# Altium PCB PCB.PcbDoc (part 1 of 3) (continued)
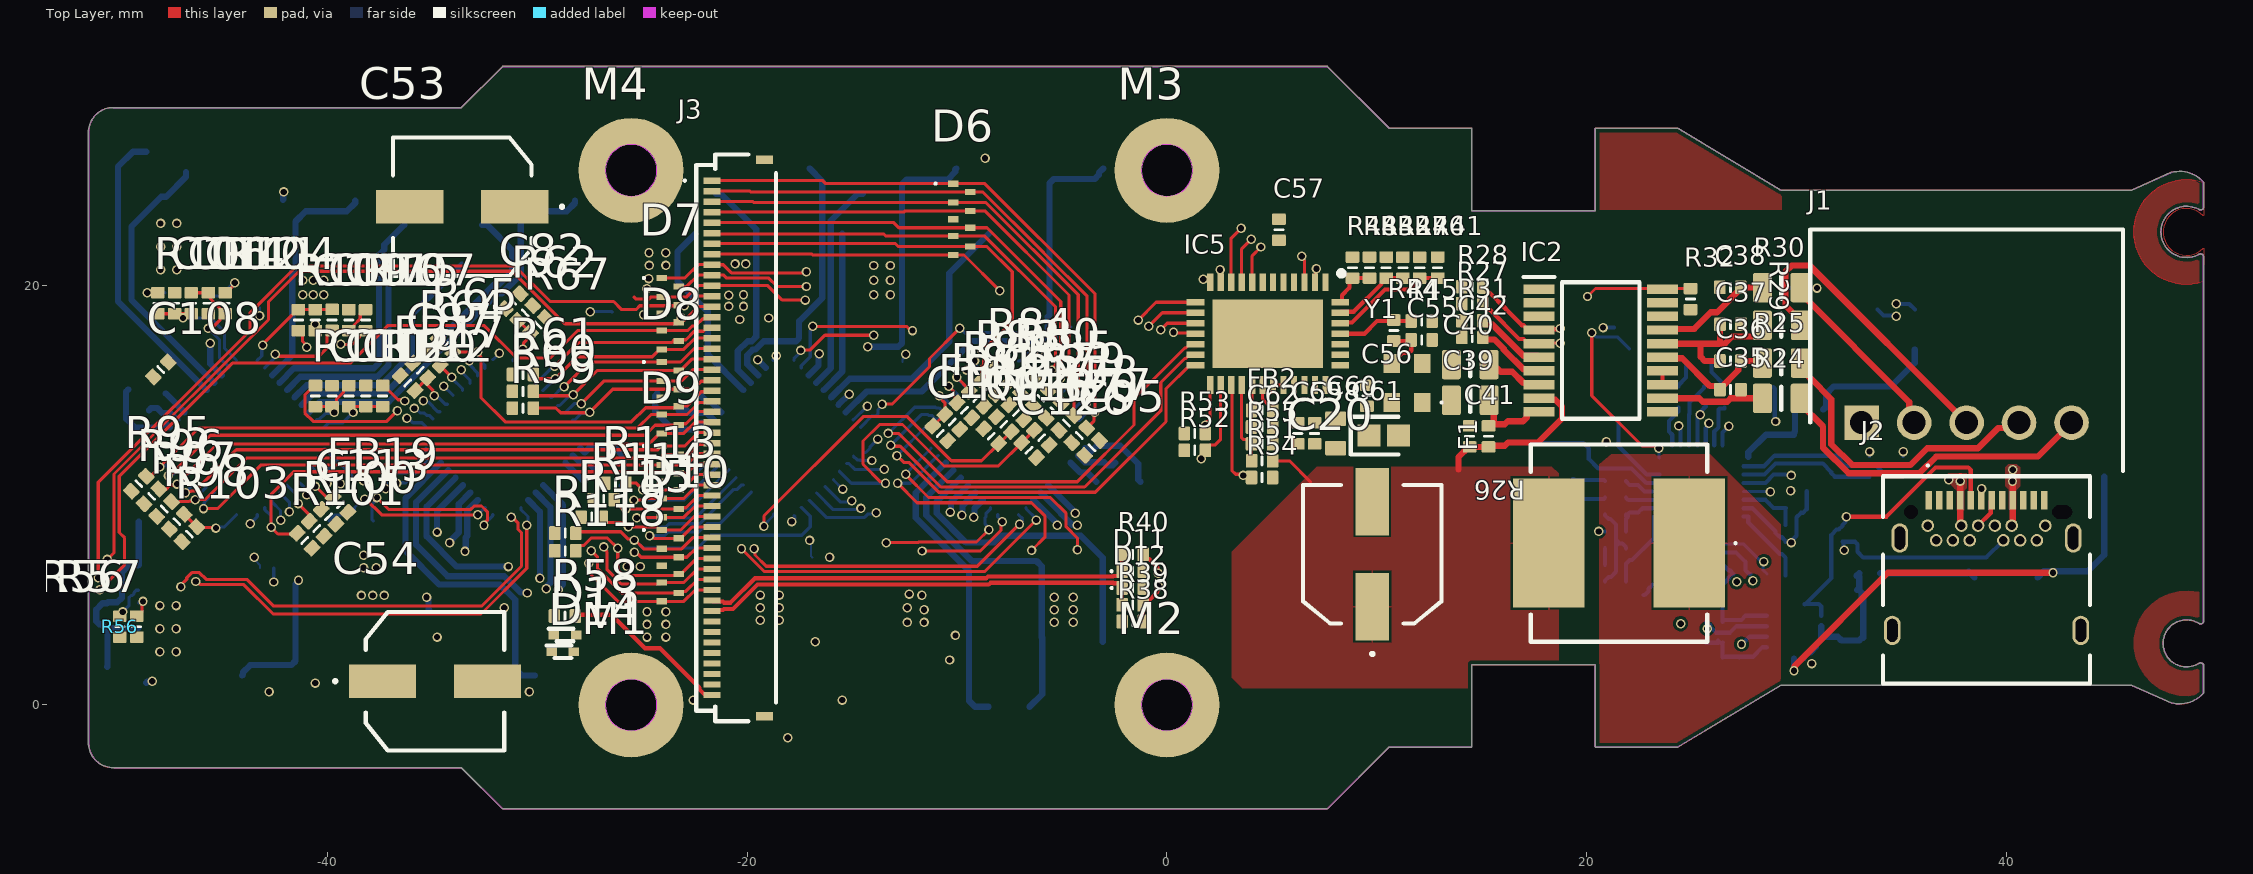
[diagram p0: Top Layer view]
## Components (designator, comment, footprint, x,y, rotation, side; value= is the part's Value field where it differs from the comment) (continued)
C120 "Cap0402" CAP0402 -38.163,14.712 r90 top value=DNI
C121 "Cap0402" CAP0402 -7.171,13.932 r135 top value=1uF
C122 "CapSMD0603" CAP0603 -23.765,14.434 r135 bottom value=47nF
C123 "CapSMD0603" CAP0603 -22.965,15.234 r315 bottom value=1uF
C126 "Cap0402" CAP0402 -6.571,12.132 r135 top value=100nF
D3 "D1213A-01LP4-7B" D1213A01LP47B 33.264,8.571 r0 bottom
D4 "D1213A-01LP4-7B" D1213A01LP47B 33.264,7.771 r0 bottom
D5 "DF2S24FS,L3M" SODFL1006X45N 41.834,11.552 r90 bottom
D6 "DT1240A-08LP3810-7" DT1240A08LP38107 -9.771,23.132 r270 top
D7 "DT1240A-08LP3810-7" DT1240A08LP38107 -23.665,18.634 r270 top locked
D8 "DT1240A-08LP3810-7" DT1240A08LP38107 -23.665,14.634 r270 top locked
D9 "DT1240A-08LP3810-7" DT1240A08LP38107 -23.665,10.634 r270 top locked
D10 "DT1240A-08LP3810-7" DT1240A08LP38107 -23.665,6.634 r270 top locked
D11 "D1213A-01LP4-7B" D1213A01LP47B -1.639,6.371 r0 top
D12 "D1213A-01LP4-7B" D1213A01LP47B -1.636,5.571 r0 top
D13 "DF2S24FS,L3M" SODFL1006X45N -28.671,3.332 r0 top
D14 "DF2S24FS,L3M" SODFL1006X45N -28.771,2.532 r0 top
F1 "3-140-177" 3140177 21.529,7.707 r180 top
FB2 "0R/Ferrite" NFZ15SG152SN10B 4.529,14.032 r0 top
FB17 "0R/Ferrite" NFZ15SG152SN10B -36.165,15.334 r315 top
FB18 "0R/Ferrite" NFZ15SG152SN10B -10.226,13.478 r135 top
FB19 "0R/Ferrite" NFZ15SG152SN10B -39.365,9.534 r135 top
FB20 "0R/Ferrite" NFZ15SG152SN10B -5.971,12.732 r135 top
IC1 "BQ25720RSNR" QFN40P400X400X80-33N-D 25.464,10.371 r180 bottom locked
IC2 "BQ7692003PW" SOP65P640X120-20N 20.66,16.884 r0 top
IC3 "TLV70950PKR" TL431AQPKG3 39.964,4.621 r0 bottom
IC4 "FUSB302BMPX" QFN50P250X250X80-15N 29.864,3.503 r90 bottom
IC5 "LTC2495CUHF#PBF" QFN50P500X700X80-39N-D 4.804,17.682 r270 top
IC6 "TMP6131DECR" TMP6131DECR -42.871,18.932 r0 bottom
IC7 "TMP6131DECR" TMP6131DECR -12.921,16.332 r180 bottom
IC9 "TMP6131DECR" TMP6131DECR -42.871,6.532 r180 bottom
IC10 "TMP6131DECR" TMP6131DECR -16.571,7.032 r180 bottom
IC11 "TMP6131DECR" TMP6131DECR 20.929,12.032 r270 bottom
IC12 "TMF8806" TMF88051B -49.721,5.164 r90 bottom
IC13 "DRV8323SRTAR" QFN50P600X600X80-41N-D -31.621,12.734 r135 bottom locked
IC14 "DRV8323SRTAR" QFN50P600X600X80-41N-D -7.565,12.734 r135 bottom
IC15 "DRV8323SRTAR" QFN50P600X600X80-41N-D -43.821,12.734 r315 bottom locked
IC16 "DRV8323SRTAR" QFN50P600X600X80-41N-D -18.265,12.734 r315 bottom
J1 "S5B-XH-A_LF__SN_" SHDRRA5W64P0X250_1X5_1490X1150X610P 33.084,13.449 r0 top
J2 "USB4056-03-A" USB405603A 39.034,3.552 r0 top
J3 "FH34SRJ-50S-0.5SH_50_" FH34SRJ50S05SH50 -20.516,12.722 r90 top locked
L1 "XEL4020-222MEC" XEL4020222MEC 25.464,19.371 r180 bottom
M1 "Mount_M2" MOUNT_M2 -25.521,-0.001 r0 top locked
M2 "Mount_M2" MOUNT_M2 0,0 r0 top
M3 "Mount_M2" MOUNT_M2 0,25.464 r0 top locked
M4 "Mount_M2" MOUNT_M2 -25.521,25.464 r0 top locked
Q1 "PMPB07R3ENAX" DMT3006LFDF7 29.564,16.021 r180 bottom locked
Q2 "SISA01DN-T1-GE3" SIS862DNT1GE3 16.436,10.916 r270 bottom
Q3 "PMPB07R3ENAX" DMT3006LFDF7 21.944,18.911 r180 bottom locked
Q4 "PMPB07R3ENAX" DMT3006LFDF7 28.965,18.911 r0 bottom locked
Q5 "PMPB07R3ENAX" DMT3006LFDF7 21.364,16.021 r0 bottom locked
Q6 "TPN1R603PL,L1Q" TPN1R603PLL1Q -46.721,0.089 r90 bottom locked
Q7 "TPN1R603PL,L1Q" TPN1R603PLL1Q -43.081,3.299 r180 bottom locked
Q8 "TPN1R603PL,L1Q" TPN1R603PLL1Q -36.101,2.599 r0 bottom locked
Q9 "TPN1R603PL,L1Q" TPN1R603PLL1Q -39.591,3.299 r180 bottom locked
Q10 "TPN1R603PL,L1Q" TPN1R603PLL1Q -32.611,2.599 r0 bottom locked
Q11 "TPN1R603PL,L1Q" TPN1R603PLL1Q -29.121,3.304 r180 bottom locked
Q12 "TPN1R603PL,L1Q" TPN1R603PLL1Q -17.994,1.113 r0 bottom
Q13 "TPN1R603PL,L1Q" TPN1R603PLL1Q -21.485,1.813 r180 bottom
Q14 "TPN1R603PL,L1Q" TPN1R603PLL1Q -11.012,1.113 r0 bottom
Q15 "TPN1R603PL,L1Q" TPN1R603PLL1Q -14.503,1.813 r180 bottom
Q16 "TPN1R603PL,L1Q" TPN1R603PLL1Q -4.03,1.113 r0 bottom
Q17 "TPN1R603PL,L1Q" TPN1R603PLL1Q -7.521,1.813 r180 bottom
Q18 "TPN1R603PL,L1Q" TPN1R603PLL1Q -46.721,25.379 r90 bottom locked
Q19 "TPN1R603PL,L1Q" TPN1R603PLL1Q -43.081,22.164 r0 bottom locked
Q20 "TPN1R603PL,L1Q" TPN1R603PLL1Q -36.101,22.864 r180 bottom locked
Q21 "TPN1R603PL,L1Q" TPN1R603PLL1Q -39.591,22.164 r0 bottom locked
Q22 "TPN1R603PL,L1Q" TPN1R603PLL1Q -32.611,22.864 r180 bottom locked
Q23 "TPN1R603PL,L1Q" TPN1R603PLL1Q -29.121,22.164 r0 bottom locked
Q24 "TPN1R603PL,L1Q" TPN1R603PLL1Q -21.482,24.349 r180 bottom
Q25 "TPN1R603PL,L1Q" TPN1R603PLL1Q -17.989,23.649 r0 bottom
Q26 "TPN1R603PL,L1Q" TPN1R603PLL1Q -14.496,24.349 r180 bottom
Q27 "TPN1R603PL,L1Q" TPN1R603PLL1Q -11.003,23.649 r0 bottom
Q28 "TPN1R603PL,L1Q" TPN1R603PLL1Q -7.51,24.349 r180 bottom
Q29 "TPN1R603PL,L1Q" TPN1R603PLL1Q -4.016,23.649 r0 bottom
R1 "L4CA0612LR010FNR" L4CA0612L0M50FNR 34.734,17.502 r180 bottom
R2 "L4CA0612LR010FNR" L4CA0612L0M50FNR 16.964,6.771 r90 bottom
R3 "Res0402" RES0402 33.464,11.371 r90 bottom value=5R
R4 "Res0402" RES0402 35.064,11.371 r90 bottom value=5R
R5 "Res0402" RES0402 26.564,14.671 r90 bottom value=0R
R6 "Res0402" RES0402 24.364,14.671 r90 bottom value=0R
R7 "Res0603" RES0603 30.564,14.071 r0 bottom value=1R
R8 "Res0402" RES0402 29.965,10.171 r0 bottom value=10R
R9 "Res0402" RES0402 21.364,10.671 r180 bottom value=10R
R10 "Res0402" RES0402 21.364,9.871 r180 bottom value=10R
R11 "Res0402" RES0402 29.962,10.966 r0 bottom value=10k
R12 "Res0402" RES0402 29.965,9.371 r0 bottom value=380k
R13 "Res0402" RES0402 29.965,6.971 r180 bottom value=137k
R14 "Res0402" RES0402 21.364,8.271 r180 bottom value=350k
R15 "Res0402" RES0402 29.965,8.571 r180 bottom value=120k
R16 "Res0402" RES0402 21.364,9.071 r0 bottom value=250k
R17 "Res0402" RES0402 24.298,5.745 r90 bottom value=16k9
R18 "Res0402" RES0402 21.364,6.671 r0 bottom value=10k
R19 "Res0402" RES0402 28.574,5.745 r270 bottom value=10k
R20 "Res0402" RES0402 27.774,5.745 r270 bottom value=10k
R21 "Res0402" RES0402 26.974,5.745 r270 bottom value=10k
R22 "Res0402" RES0402 25.074,5.745 r270 bottom value=DNI
R23 "Res0402" RES0402 25.874,5.745 r90 bottom value=10k
R24 "Res0805" RES0805 29.259,14.602 r0 top value=100R
R25 "Res0805" RES0805 29.26,16.284 r0 top value=100R
R26 "Res0805" RES0402 15.318,12.791 r270 top value=100R
R27 "Res0402" RES0402 14.543,19.111 r180 top value=DNI
R28 "Res0402" RES0402 14.545,19.906 r180 top value=DNI
R29 "Res0805" RES0805 29.26,18.084 r0 top value=100R
R30 "Res0805" RES0805 29.256,19.88 r0 top value=100R
R31 "Res0402" RES0402 14.543,18.311 r0 top value=10k
R32 "Res0402" RES0402 24.929,19.332 r90 top value=1M
R33 "Res0402" RES0402 33.464,5.471 r0 bottom value=DNI
R34 "Res0402" RES0402 33.464,6.271 r0 bottom value=0R
R35 "Res0402" RES0402 24.864,3.471 r270 bottom value=10k
R36 "Res0402" RES0402 25.664,3.471 r270 bottom value=4k7
R37 "Res0402" RES0402 26.464,3.471 r270 bottom value=4k7
R38 "Res0402" RES0402 -1.636,3.971 r180 top value=1k5
R39 "Res0402" RES0402 -1.636,4.771 r180 top value=22R
R40 "Res0402" RES0402 -1.633,7.166 r180 top value=22R
R41 "Res0402" RES0402 12.89,20.832 r90 top value=DNI
R42 "Res0402" RES0402 10.44,20.832 r90 top value=DNI
R43 "Res0402" RES0402 9.64,20.832 r90 top value=DNI
R44 "Res0402" RES0402 10.806,17.837 r270 top value=DNI
R45 "Res0402" RES0402 12.133,18.28 r180 top value=10k
R46 "Res0402" RES0402 12.04,20.832 r270 top value=10k
R47 "Res0402" RES0402 11.24,20.832 r270 top value=10k
R48 "Res0402" RES0402 8.84,20.832 r270 top value=10k
R51 "Res0402" RES0402 4.529,11.632 r0 top value=50k
R52 "Res0402" RES0402 1.329,12.132 r0 top value=10k
R53 "Res0402" RES0402 1.327,12.937 r0 top value=10k
R54 "Res0402" RES0402 4.529,10.832 r180 top value=10k
R55 "Res0402" RES0402 4.529,12.432 r180 top value=10k
R56 "Res0402" RES0402 -49.871,3.732 r270 top value=50k
R57 "Res0402" RES0402 -49.071,3.732 r90 top value=50k
R58 "Res0402" RES0402 -28.671,4.232 r180 top value=DNI
R59 "Res0402" RES0402 -30.671,14.132 r180 top value=50k
R60 "Res0402" RES0402 -30.671,14.932 r180 top value=50k
R61 "Res0402" RES0402 -30.671,15.732 r180 top value=50k
R62 "Res0402" RES0402 -30.565,18.668 r45 top value=10k
R64 "Res0402" RES0402 -34.97,16.529 r135 top value=DNI
R65 "Res0402" RES0402 -34.371,17.132 r135 top value=10k
R67 "Res0402" RES0402 -29.954,18.097 r225 top value=10k
R69 "WSK12161L000FEA" WSK12161L000FEA -46.521,4.264 r90 bottom locked
R72 "WSK12161L000FEA" WSK12161L000FEA -38.858,7.045 r90 bottom locked
R75 "WSK12161L000FEA" WSK12161L000FEA -25.365,5.034 r90 bottom locked
R77 "Res0402" RES0402 -4.173,12.836 r225 top value=50k
R78 "Res0402" RES0402 -4.783,13.428 r225 top value=50k
R79 "Res0402" RES0402 -5.394,14.021 r225 top value=50k
R80 "Res0402" RES0402 -6.615,15.206 r225 top value=10k
R81 "Res0402" RES0402 -9.645,14.038 r315 top value=DNI
R82 "Res0402" RES0402 -9.066,14.587 r315 top value=DNI
R83 "Res0402" RES0402 -8.488,15.137 r315 top value=10k
R84 "Res0402" RES0402 -7.91,15.686 r315 top value=DNI
R85 "Res0402" RES0402 -6.015,14.617 r45 top value=10k
R87 "WSK12161L000FEA" WSK12161L000FEA -19.968,5.734 r90 bottom
R90 "WSK12161L000FEA" WSK12161L000FEA -13.007,5.734 r90 bottom
R93 "WSK12161L000FEA" WSK12161L000FEA -6.013,5.734 r90 bottom
R95 "Res0402" RES0402 -48.965,10.534 r225 top value=50k
R96 "Res0402" RES0402 -48.362,9.933 r225 top value=50k
R97 "Res0402" RES0402 -47.76,9.332 r225 top value=50k
R98 "Res0402" RES0402 -47.157,8.732 r225 top value=10k
R100 "Res0402" RES0402 -40.501,8.403 r315 top value=10k
R101 "Res0402" RES0402 -41.071,7.832 r315 top value=10k
R103 "Res0402" RES0402 -46.565,8.134 r45 top value=10k
R104 "Res0402" RES0402 -44.865,19.134 r90 top value=0R
R105 "WSK12161L000FEA" WSK12161L000FEA -46.521,21.204 r270 bottom
R106 "Res0402" RES0402 -48.065,19.134 r90 top value=0R
R107 "Res0402" RES0402 -38.165,18.334 r270 top value=0R
R108 "WSK12161L000FEA" WSK12161L000FEA -39.612,18.434 r270 bottom
R109 "Res0402" RES0402 -41.365,18.334 r270 top value=0R
R110 "Res0402" RES0402 -40.563,14.712 r90 top value=0R
R111 "WSK12161L000FEA" WSK12161L000FEA -25.365,20.434 r270 bottom
R112 "Res0402" RES0402 -37.363,14.712 r90 top value=0R
R113 "Res0402" RES0402 -26.268,10.561 r180 top value=50k
R114 "Res0402" RES0402 -26.834,9.777 r180 top value=50k
R115 "Res0402" RES0402 -27.399,8.94 r180 top value=50k
R116 "Res0402" RES0402 -8.371,12.799 r135 top value=10k
R118 "Res0402" RES0402 -28.665,7.334 r180 top value=DNI
R119 "Res0402" RES0402 -28.654,8.184 r180 top value=10k
R121 "Res0402" RES0402 -7.767,13.376 r315 top value=10k
R123 "WSK12161L000FEA" WSK12161L000FEA -19.574,19.734 r270 bottom
R126 "WSK12161L000FEA" WSK12161L000FEA -12.574,19.734 r270 bottom
R129 "WSK12161L000FEA" WSK12161L000FEA -5.635,19.734 r270 bottom
Y1 "ECS-2520MVLC-010-CN-TR" ECS2520MVLC010CNTR 11.429,15.332 r90 top

## Footprints (in the part's own frame and the unit in brackets; to place one, negate y for a bottom-side part, rotate by r counter-clockwise, add the part's x,y. Pads: shape width x height; smd on the part's side, far side on the other; paste and mask are expansions set on the pad)
3140177 [mm]
  rect 3.4x6.15 smd: 1(-3.35,0) 2(3.35,0)
  silkscreen extent -5.6,-4.7 4.2,4.7, body extent -4.71,-4.7 4.71,4.7, height 4.95
CAP0402 [mm]
  rrect20% 0.55x0.65 smd: 1(-0.498,-0.005) 2(0.503,-0.005)
  silkscreen extent 0,-0.2 0,0.2, body extent -0.49,-0.27 0.51,0.28, height 0.5
CAP0603 [mm]
  rrect20% 0.7x1 smd: 1(-0.7,0) 2(0.7,0)
  body extent -0.8,-0.4 0.8,0.4, height 0.95
CAP0805 [mm]
  rrect20% 0.9x1.4 smd: 1(-0.9,0) 2(0.9,0)
  silkscreen extent 0,-0.55 0,0.55, body extent -1,-0.63 1,0.63, height 0.88
CAPPC1608X90N [mm]
  rect 1.1x1.05 smd: 1(-0.7,0) 2(0.7,0)
  silkscreen extent -1.57,-0.9 0.7,0.9, body extent -0.8,-0.43 0.8,0.43, height 0.9
CAPPM7343X310N [mm]
  rect 2.35x2.45 smd: 1(-3.1,0) 2(3.1,0)
  silkscreen extent -4.28,-2.15 3.65,2.15, body extent -3.59,-2.21 3.6,2.21, height 2.92
D1213A01LP47B [mm]
  rrect20% 0.55x0.65 smd: 1(-0.498,0) 2(0.503,0)
  silkscreen extent -1.05,-0.2 0,0.2, body extent -0.5,-0.3 0.5,0.3, height 0.37
DMT3006LFDF7 [mm]
  rect 0.4x0.425 smd: 1(-0.65,-0.938) 2(0,-0.938) 3(0.65,-0.938) 4(0.65,0.938) 5(0,0.938) 6(-0.65,0.938)
  rect 0.95x1.15 smd: 7(-0.325,0)
  rect 0.48x0.8 smd: 8(0.7,0)
  silkscreen extent -0.75,-1.8 -0.55,-1.6, body extent -0.97,-1.11 1.02,1.11, height 0.73
DT1240A08LP38107 [mm]
  rect 0.3x0.5 smd: 1(-1.7,-0.4) 2(-0.8,-0.4) 3(0,-0.4) 4(0.8,-0.4) 5(1.7,-0.4) 6(1.3,0.4) 7(0.4,0.4) 8(-0.4,0.4) 9(-1.3,0.4)
  silkscreen extent -1.75,-1.3 -1.65,-1.2, body extent -1.9,-0.5 1.9,0.5, height 0.5
ECS2520MVLC010CNTR [mm]
  rect 0.9x0.8 smd: 1(-0.925,-0.725) 2(0.925,-0.725) 3(0.925,0.725) 4(-0.925,0.725)
  silkscreen extent -0.97,-1.7 -0.88,-1.6, body extent -1.3,-1.04 1.3,1.04, height 1
EEEHP1H4R7P [mm]
  rect 1.6x3.2 smd: 1(0,-2.5) 2(0,2.5)
  silkscreen extent -3.3,-4.8 3.3,3.3, body extent -3.3,-3.65 3.3,3.65, height 7.7
FH34SRJ50S05SH50 [mm]
  rect 0.3x0.8 smd: 1(12.25,1.15) 2(11.75,1.15) 3(11.25,1.15) 4(10.75,1.15) 5(10.25,1.15) 6(9.75,1.15) 7(9.25,1.15) 8(8.75,1.15) 9(8.25,1.15) 10(7.75,1.15) 11(7.25,1.15) 12(6.75,1.15) 13(6.25,1.15) 14(5.75,1.15) 15(5.25,1.15) 16(4.75,1.15) 17(4.25,1.15) 18(3.75,1.15) 19(3.25,1.15) 20(2.75,1.15) 21(2.25,1.15) 22(1.75,1.15) 23(1.25,1.15) 24(0.75,1.15) 25(0.25,1.15) 26(-0.25,1.15) 27(-0.75,1.15) 28(-1.25,1.15) 29(-1.75,1.15) 30(-2.25,1.15) 31(-2.75,1.15) 32(-3.25,1.15) 33(-3.75,1.15) 34(-4.25,1.15) 35(-4.75,1.15) 36(-5.25,1.15) 37(-5.75,1.15) 38(-6.25,1.15) 39(-6.75,1.15) 40(-7.25,1.15) 41(-7.75,1.15) 42(-8.25,1.15) 43(-8.75,1.15) 44(-9.25,1.15) 45(-9.75,1.15) 46(-10.25,1.15) 47(-10.75,1.15) 48(-11.25,1.15) 49(-11.75,1.15) 50(-12.25,1.15)
  rect 0.4x0.8 smd: 51(13.25,-1.35) 52(-13.25,-1.35)
  silkscreen extent -13.5,-1.9 13.5,2.5, body extent -13.5,-1.9 13.5,1.9, height 1
L4CA0612L0M50FNR [mm]
  rect 1.014x0.762 smd: 1(-0.888,1.335) 4(0.888,1.335)
  rect 1.014x2.29 smd: 2(-0.888,-0.572) 3(0.888,-0.572)
  silkscreen extent -1.9,1.29 -1.8,1.38, body extent -0.77,-1.6 0.77,1.6, height 0.7
MOUNT_M2 [mm]
  round 5 hole 2.45: 1(0,0)
NFZ15SG152SN10B [mm]
  rrect20% 0.55x0.65 smd: 1(-0.498,-0.005) 2(0.503,-0.005)
  silkscreen extent 0,-0.2 0,0.2, body extent -0.5,-0.25 0.5,0.25, height 0.5
QFN40P400X400X80-33N-D [mm]
  rect 0.75x0.2 smd: 1(-2,1.4) 2(-2,1) 3(-2,0.6) 4(-2,0.2) 5(-2,-0.2) 6(-2,-0.6) 7(-2,-1) 8(-2,-1.4) 17(2,-1.4) 18(2,-1) 19(2,-0.6) 20(2,-0.2) 21(2,0.2) 22(2,0.6) 23(2,1) 24(2,1.4)
  rect 0.2x0.75 smd: 9(-1.4,-2) 10(-1,-2) 11(-0.6,-2) 12(-0.2,-2) 13(0.2,-2) 14(0.6,-2) 15(1,-2) 16(1.4,-2) 25(1.4,2) 26(1,2) 27(0.6,2) 28(0.2,2) 29(-0.2,2) 30(-0.6,2) 31(-1,2) 32(-1.4,2)
  rect 2.9x2.9 smd: 33(0,0)
  silkscreen extent -2.47,1.9 -2.28,2.1, body extent -2,-2 2,2, height 0.8
QFN50P250X250X80-15N [mm]
  rect 0.7x0.3 smd: 1(-1.3,0.5) 2(-1.3,0) 3(-1.3,-0.5) 8(1.3,-0.5) 9(1.3,0) 10(1.3,0.5)
  rect 0.3x0.7 smd: 4(-0.75,-1.3) 5(-0.25,-1.3) 6(0.25,-1.3) 7(0.75,-1.3) 11(0.75,1.3) 12(0.25,1.3) 13(-0.25,1.3) 14(-0.75,1.3)
  rect 1.5x1.5 smd: 15(0,0)
  silkscreen extent -1.77,1.13 -1.53,1.38, body extent -1.3,-1.3 1.3,1.3, height 0.8
QFN50P500X700X80-39N-D [mm]
  rect 0.85x0.3 smd: 1(-2.45,2.75) 2(-2.45,2.25) 3(-2.45,1.75) 4(-2.45,1.25) 5(-2.45,0.75) 6(-2.45,0.25) 7(-2.45,-0.25) 8(-2.45,-0.75) 9(-2.45,-1.25) 10(-2.45,-1.75) 11(-2.45,-2.25) 12(-2.45,-2.75) 20(2.45,-2.75) 21(2.45,-2.25) 22(2.45,-1.75) 23(2.45,-1.25) 24(2.45,-0.75) 25(2.45,-0.25) 26(2.45,0.25) 27(2.45,0.75) 28(2.45,1.25) 29(2.45,1.75) 30(2.45,2.25) 31(2.45,2.75)
  rect 0.3x0.85 smd: 13(-1.5,-3.45) 14(-1,-3.45) 15(-0.5,-3.45) 16(0,-3.45) 17(0.5,-3.45) 18(1,-3.45) 19(1.5,-3.45) 32(1.5,3.45) 33(1,3.45) 34(0.5,3.45) 35(0,3.45) 36(-0.5,3.45) 37(-1,3.45) 38(-1.5,3.45)
  rect 3.25x5.25 smd: 39(0,0)
  silkscreen extent -3,3.38 -2.75,3.63, body extent -2.55,-3.55 2.55,3.55, height 0.8
QFN50P600X600X80-41N-D [mm]
  rect 0.9x0.3 smd: 1(-2.95,2.25) 2(-2.95,1.75) 3(-2.95,1.25) 4(-2.95,0.75) 5(-2.95,0.25) 6(-2.95,-0.25) 7(-2.95,-0.75) 8(-2.95,-1.25) 9(-2.95,-1.75) 10(-2.95,-2.25) 21(2.95,-2.25) 22(2.95,-1.75) 23(2.95,-1.25) 24(2.95,-0.75) 25(2.95,-0.25) 26(2.95,0.25) 27(2.95,0.75) 28(2.95,1.25) 29(2.95,1.75) 30(2.95,2.25)
  rect 0.3x0.9 smd: 11(-2.25,-2.95) 12(-1.75,-2.95) 13(-1.25,-2.95) 14(-0.75,-2.95) 15(-0.25,-2.95) 16(0.25,-2.95) 17(0.75,-2.95) 18(1.25,-2.95) 19(1.75,-2.95) 20(2.25,-2.95) 31(2.25,2.95) 32(1.75,2.95) 33(1.25,2.95) 34(0.75,2.95) 35(0.25,2.95) 36(-0.25,2.95) 37(-0.75,2.95) 38(-1.25,2.95) 39(-1.75,2.95) 40(-2.25,2.95)
  rect 4.6x4.6 smd: 41(0,0)
  silkscreen extent -3.52,2.88 -3.28,3.12, body extent -3.05,-3.05 3.05,3.05, height 0.8
RES0402 [mm]
  rrect20% 0.55x0.65 smd: 1(-0.498,-0.005) 2(0.503,-0.005)
  silkscreen extent 0,-0.2 0,0.2, body extent -0.5,-0.25 0.5,0.25, height 0.4
RES0603 [mm] "SMD Resistor 0603"
  rrect20% 0.7x1 smd: 1(-0.7,0) 2(0.7,0)
  silkscreen extent 0,-0.38 0,0.38, body extent -0.8,-0.4 0.8,0.4, height 0.6
RES0805 [mm] "SMD Resistor 0805"
  rrect20% 0.9x1.4 smd: 1(-0.9,0) 2(0.9,0)
  silkscreen extent 0,-0.55 0,0.55, body extent -1,-0.63 1,0.63, height 0.65
SHDRRA5W64P0X250_1X5_1490X1150X610P [mm]
  rect 1.65x1.65 hole 1.1: 1(0,0)
  round 1.65 hole 1.1: 2(2.5,0) 3(5,0) 4(7.5,0) 5(10,0)
  silkscreen extent -2.45,-2.3 12.45,9.2, body extent -2.45,-2.3 12.45,9.2, height 6.1
SIS862DNT1GE3 [mm]
  rect 0.99x0.405 smd: 1(-1.555,0.992) 2(-1.555,0.332) 3(-1.555,-0.328) 4(-1.555,-0.988)
  rect 0.81x0.405 smd: 5(1.405,-0.988) 6(1.405,-0.328) 7(1.405,0.332) 8(1.405,0.992)
  rect 1.725x2.235 smd: 9(0.438,0.002)
  silkscreen extent -1.53,-1.53 1.55,1.53, body extent -1.77,-1.65 1.54,1.65, height 1.09
SODFL1006X45N [mm]
  rect 0.5x0.42 smd: 1(-0.525,0) 2(0.525,0)
  silkscreen extent -0.78,-0.3 0.4,0.3, body extent -0.5,-0.3 0.5,0.3, height 0.4
SOP65P640X120-20N [mm]
  rect 1.475x0.45 smd: 1(-2.938,2.925) 2(-2.938,2.275) 3(-2.938,1.625) 4(-2.938,0.975) 5(-2.938,0.325) 6(-2.938,-0.325) 7(-2.938,-0.975) 8(-2.938,-1.625) 9(-2.938,-2.275) 10(-2.938,-2.925) 11(2.938,-2.925) 12(2.938,-2.275) 13(2.938,-1.625) 14(2.938,-0.975) 15(2.938,-0.325) 16(2.938,0.325) 17(2.938,0.975) 18(2.938,1.625) 19(2.938,2.275) 20(2.938,2.925)
  silkscreen extent -3.68,-3.25 1.85,3.5, body extent -3.2,-3.25 3.2,3.25, height 1.13
TL431AQPKG3 [mm]
  rect 1x1.5 smd: 1(-1.5,-1.45) 3(1.5,-1.45)
  rect 1x1.8 smd: 2(0,-1.3)
  rect 2.2x3.7 smd: 4(0,1.45)
  silkscreen extent -2.55,-2.6 2.25,1.25, body extent -2.25,-1.74 2.25,2.43, height 1.53
TMF88051B [mm]
  rect 0.35x0.575 smd: 1(-1.5,-0.738) 2(-0.9,-0.738) 3(-0.3,-0.738) 4(0.3,-0.738) 5(0.9,-0.738) 6(1.5,-0.738) 7(1.5,0.738) 8(0.9,0.738) 9(0.3,0.738) 10(-0.3,0.738) 11(-0.9,0.738) 12(-1.5,0.738)
  silkscreen extent -1.75,-1.35 -1.65,-1.25, body extent -1.8,-1.1 1.8,1.1, height 1.2
TMP6131DECR [mm]
  rect 0.25x0.5 smd: 1(-0.325,0) 2(0.325,0)
  silkscreen extent -1,-0.05 -0.9,0.05, body extent -0.5,-0.3 0.5,0.3, height 0.6
TPN1R603PLL1Q [mm]
  rect 0.4x0.4 smd: 1(-0.975,-1.9) 2(-0.325,-1.9) 3(0.325,-1.9) 4(0.975,-1.9)
  rect 0.4x0.3 smd: 5(0.975,1.25) 6(0.325,1.25) 7(-0.325,1.25) 8(-0.975,1.25)
  rect 2.65x2.2 smd: 9(0,0)
  silkscreen extent -1.55,-2.97 1.55,-1.4, body extent -1.55,-2.06 1.55,1.37, height 1
USB405603A [mm]
  rect 0.3x0.9 smd: A1(-2.75,6.2) A2(-2.25,6.2) A3(-1.75,6.2) A4(-1.25,6.2) A5(-0.75,6.2) A6(-0.25,6.2) A7(0.25,6.2) A8(0.75,6.2) A9(1.25,6.2) A10(1.75,6.2) A11(2.25,6.2) A12(2.75,6.2)
  round 0.6 hole 0.4: B1(2.8,4.99) B2(2.4,4.29) B3(1.6,4.29) B4(1.2,4.99) B5(0.8,4.29) B6(0.4,4.99) B7(-0.4,4.99) B8(-0.8,4.29) B9(-1.2,4.99) B10(-1.6,4.29) B11(-2.4,4.29) B12(-2.8,4.99)
  oval 0.8x1.4 hole 0.5 slot 1.1 at 90 deg: MH1(-4.13,4.4) MH2(4.13,4.4) MH3(4.49,0) MH4(-4.49,0)
  round 0 hole 0.65 unplated: MH5(-3.6,5.64)
  round 0 hole 0.65 slot 0.95 at 0 deg unplated: MH6(3.6,5.64)
  silkscreen extent -4.93,-2.53 4.92,7.91, body extent -4.92,-2.53 4.92,7.34, height 3.26
WSK12161L000FEA [mm]
  rect 2.95x1.495 smd: 1(-0.6,-1.053) 4(-0.6,1.053)
  rect 0.7x1.495 smd: 2(1.725,-1.053) 3(1.725,1.053)
  silkscreen extent -1.91,-0.1 1.9,0.1, body extent -2,-1.7 2,1.7, height 2
XEL4020222MEC [mm]
  rect 0.98x3.4 smd: 1(-1.185,0) 2(1.185,0)
  silkscreen extent -3,-2 2,2, body extent -2,-2 2,2, height 2.2

## Part data
C1 C21 C28 C29 C30 C31 C32 C33 C34 C80: Voltage=25V
C2: "Capacitor Polarised", Manufacturer_Name=Vishay, Mouser Part Number=74-TR3D336K025D0200, Datasheet Link=http://www.vishay.com/doc?40080, HEIGHT=3.1mm, Manufacturer_Part_Number=TR3D336K025D0200, Mouser Price/Stock=https://www.mouser.com/Search/Refine.aspx?Keyword=74-TR3D336K025D0200
C3 C4 C7 C8 C9 C10 C11 C12 C13 C14 C15 C16 C17 C18 C19 C39 C40 C41 C42 C43 C47 C48 C49 C50 C57 C58 C59: Voltage=50V
C5 C6: "Capacitor Polarised", Manufacturer_Name=Vishay, Mouser Part Number=74-293D226X0025D2TE3, Datasheet Link=http://www.vishay.com/docs/40002/293d.pdf, HEIGHT=3.1mm, Manufacturer_Part_Number=293D226X0025D2TE3, Mouser Price/Stock=https://www.mouser.co.uk/ProductDetail/Vishay-Sprague/293D226X0025D2TE3?qs=27QRfRkF2isTHSjSebANCw%3D%3D
C20 C53 C54: "Capacitor Polarised", Manufacturer_Name=Panasonic, Datasheet Link=https://industrial.panasonic.com/cdbs/www-data/pdf/RDD0000/ast-ind-303928.pdf, Manufacturer_Part_Number=EEH-ZL1V151XP
C22 C24 C25 C26 C35 C36 C37 C38 C44 C45 C46 C78 C79 C81 C87 C100 C113 C126: Voltage=6V3
C23 C27 C60 C62 C111 C112 C114 C115 C116 C117 C118 C119 C120: Voltage=DNI
C51 C52 C82 C95 C108 C121: Voltage=val
C55 C56: "DNI", Voltage=DNI
C61: library part 298D106X96R3M2T, "Capacitor Polarised", Voltage=6V3
C83 C84 C96 C97 C109 C110 C122 C123: "50V", LatestRevisionDate=29-May-2009, LatestRevisionNote="IPC-7351 Footprint Added.", PackageDescription="Chip Capacitor", PackageReference=C1206, Published=8-Jun-2000, Publisher="Altium Limited"
D3 D4 D11 D12: "TVS Diode (Uni-directional)", Manufacturer_Name="Diodes Incorporated", Mouser Part Number=621-D1213A-01LP4-7B, Arrow Part Number=D1213A-01LP4-7B, Arrow Price/Stock=https://www.arrow.com/en/products/d1213a-01lp4-7b/diodes-incorporated?region=europe, Datasheet Link=https://www.diodes.com/assets/Datasheets/D1213A-01LP4.pdf, HEIGHT=0.4mm, Manufacturer_Part_Number=D1213A-01LP4-7B, Mouser Price/Stock=https://www.mouser.co.uk/ProductDetail/Diodes-Incorporated/D1213A-01LP4-7B?qs=gfe7vQ8txpVKfG5NOSOvfA%3D%3D
D5 D13 D14: "TVS Diode (Uni-directional)", Manufacturer_Name=Toshiba, Mouser Part Number=757-DF2S24FSL3M, Arrow Part Number=DF2S24FS,L3M, Arrow Price/Stock=https://www.arrow.com/en/products/df2s24fsl3m/toshiba?region=nac, Datasheet Link=https://www.mouser.com/datasheet/2/408/DF2S24FS_datasheet_en_20140718-708374.pdf, HEIGHT=0.45mm, Manufacturer_Part_Number=DF2S24FS,L3M, Mouser Price/Stock=https://www.mouser.co.uk/ProductDetail/Toshiba/DF2S24FSL3M?qs=lhkzy8lC%252BSvG2umxl0FuEw%3D%3D
D6 D7 D8 D9 D10: "TVS Diode (Uni-directional)", Manufacturer_Name="Diodes Incorporated", Mouser Part Number=621-DT1240A08LP38107, Arrow Part Number=DT1240A-08LP3810-7, Arrow Price/Stock=null?region=nac, Datasheet Link=https://www.diodes.com//assets/Datasheets/DT1240A-08LP3810.pdf, HEIGHT=0.55mm, Manufacturer_Part_Number=DT1240A-08LP3810-7, Mouser Price/Stock=https://www.mouser.co.uk/ProductDetail/Diodes-Incorporated/DT1240A-08LP3810-7?qs=W0yvOO0ixfFwCalJyqXN4A%3D%3D
F1: "Fuse", Manufacturer_Name=SCHURTER, Mouser Part Number=693-3-140-177, Arrow Part Number=3-140-177, Arrow Price/Stock=https://www.arrow.com/en/products/3-140-177/schurter?region=europe, Datasheet Link=https://www.schurter.com/en/datasheet/typ_UHS.pdf, HEIGHT=4.85mm, Manufacturer_Part_Number=3-140-177, Mouser Price/Stock=https://www.mouser.co.uk/ProductDetail/Schurter/3-140-177?qs=3Rah4i%252BhyCHL3c0yS6dOkg%3D%3D
FB2 FB17 FB18 FB19 FB20: library part BLM15PE471SH1D, "Ferrite Bead", Manufacturer_Name="Murata Electronics", Mouser Part Number=81-BLM15PE471SH1D, Datasheet Link=https://www.murata.com/en-global/products/productdetail.aspx?cate=luNoiseSupprFilteChipFerriBead&partno=BLM15PE471SH1%23, HEIGHT=0.55mm, Manufacturer_Part_Number=BLM15PE471SH1D, Mouser Price/Stock=https://www.mouser.co.uk/ProductDetail/Murata-Electronics/BLM15PE471SH1D?qs=DRkmTr78QATAY5qAVx1hGA%3D%3D
IC1: "Integrated Circuit", Manufacturer_Name="Texas Instruments", Mouser Part Number=595-BQ25720RSNR, Datasheet Link=https://www.ti.com/lit/ds/symlink/bq25720.pdf?ts=1649085131820&ref_url=https%253A%252F%252Fwww.ti.com%252Fproduct%252FBQ25720, HEIGHT=0.8mm, Manufacturer_Part_Number=BQ25720RSNR, Mouser Price/Stock=https://www.mouser.co.uk/ProductDetail/Texas-Instruments/BQ25720RSNR?qs=ljCeji4nMDlwF8f%2Foae7aQ%3D%3D
IC2: "Integrated Circuit", Manufacturer_Name="Texas Instruments", Mouser Part Number=595-BQ7692003PW, Arrow Part Number=BQ7692003PW, Arrow Price/Stock=https://www.arrow.com/en/products/bq7692003pw/texas-instruments?utm_currency=USD&region=nac, Datasheet Link=http://www.ti.com/lit/gpn/BQ76920, HEIGHT=1.2mm, Manufacturer_Part_Number=BQ7692003PW, Mouser Price/Stock=https://www.mouser.co.uk/ProductDetail/Texas-Instruments/BQ7692003PW?qs=%2Fd%252BFzHvH4c0Hx6X3GvdboA%3D%3D
IC3: "Integrated Circuit", Manufacturer_Name="Texas Instruments", Mouser Part Number=595-TLV70950PKR, Arrow Part Number=TLV70950PKR, Arrow Price/Stock=null?region=nac, Datasheet Link=https://www.ti.com/lit/gpn/tlv709, HEIGHT=1.6mm, Manufacturer_Part_Number=TLV70950PKR, Mouser Price/Stock=https://www.mouser.co.uk/ProductDetail/Texas-Instruments/TLV70950PKR?qs=dbcCsuKDzFU3yYGsVf2izQ%3D%3D
IC4: "Integrated Circuit", Manufacturer_Name=onsemi, Mouser Part Number=512-FUSB302BMPX, Arrow Part Number=FUSB302BMPX, Arrow Price/Stock=https://www.arrow.com/en/products/fusb302bmpx/on-semiconductor?utm_currency=USD&region=nac, Datasheet Link=https://www.onsemi.com/pub/Collateral/FUSB302B-D.PDF, HEIGHT=0.8mm, Manufacturer_Part_Number=FUSB302BMPX, Mouser Price/Stock=https://www.mouser.co.uk/ProductDetail/onsemi-Fairchild/FUSB302BMPX?qs=8ziscO3x5y1SHqdwooDK6g%3D%3D
IC5: "Integrated Circuit", Manufacturer_Name="Analog Devices", Mouser Part Number=584-LTC2495CUHF#PBF, Arrow Part Number=LTC2495CUHF#PBF, Arrow Price/Stock=https://www.arrow.com/en/products/ltc2495cuhfpbf/analog-devices?region=europe, Datasheet Link=https://www.analog.com/media/en/technical-documentation/data-sheets/2495fe.pdf, HEIGHT=0.8mm, Manufacturer_Part_Number=LTC2495CUHF#PBF, Mouser Price/Stock=https://www.mouser.co.uk/ProductDetail/Analog-Devices/LTC2495CUHFPBF?qs=hVkxg5c3xu%252Bd9nHQ1gaMcw%3D%3D
IC6 IC7 IC9 IC10 IC11: "Integrated Circuit", Manufacturer_Name="Texas Instruments", Mouser Part Number=595-TMP6131DECR, Arrow Part Number=TMP6131DECR, Arrow Price/Stock=https://www.arrow.com/en/products/tmp6131decr/texas-instruments?region=nac, Datasheet Link=http://www.ti.com/lit/gpn/TMP61, HEIGHT=0.5mm, Manufacturer_Part_Number=TMP6131DECR, Mouser Price/Stock=https://www.mouser.co.uk/ProductDetail/Texas-Instruments/TMP6131DECR?qs=l7cgNqFNU1jnXQehRCOLwA%3D%3D
IC12: library part TMF8805-1B, "Integrated Circuit", Manufacturer_Name="ams OSRAM", Mouser Part Number=985-TMF8805-1B, Datasheet Link=https://ams.com/documents/20143/4372629/TMF8805_DS000692_4-00.pdf, HEIGHT=1.1mm, Manufacturer_Part_Number=TMF8805-1B, Mouser Price/Stock=https://www.mouser.co.uk/ProductDetail/ams-OSRAM/TMF8805-1B?qs=sPbYRqrBIVlwsjHE%2F%252BrL9g%3D%3D
IC13 IC14 IC15 IC16: "Integrated Circuit", Manufacturer_Name="Texas Instruments", Mouser Part Number=595-DRV8323SRTAR, Arrow Part Number=DRV8323SRTAR, Arrow Price/Stock=https://www.arrow.com/en/products/drv8323srtar/texas-instruments?utm_currency=USD&region=nac, Datasheet Link=http://www.ti.com/lit/ds/symlink/drv8323.pdf, HEIGHT=0.8mm, Manufacturer_Part_Number=DRV8323SRTAR, Mouser Price/Stock=https://www.mouser.co.uk/ProductDetail/Texas-Instruments/DRV8323SRTAR?qs=u4fy%2FsgLU9P2gpPTX6mffg%3D%3D
J1: "Connector", Arrow Part Number=S5B-XH-A(LF)(SN), Manufacturer_Name="JST (JAPAN SOLDERLESS TERMINALS)", Mouser Part Number=306-S5B-XH-ALFSN, Arrow Price/Stock=https://www.arrow.com/en/products/s5b-xh-a-lf-sn/jst-manufacturing?utm_currency=USD&region=europe, Datasheet Link=http://www.jst-mfg.com/product/pdf/eng/eXH.pdf, HEIGHT=6.1mm, Manufacturer_Part_Number=S5B-XH-A(LF)(SN), Mouser Price/Stock=https://www.mouser.co.uk/ProductDetail/JST-Commercial/S5B-XH-ALFSN?qs=QpmGXVUTftFJm7Okp%252B2lFg%3D%3D
J2: "Connector", Manufacturer_Name="GCT (GLOBAL CONNECTOR TECHNOLOGY)", Mouser Part Number=640-USB4056-03-A, Datasheet Link=https://www.mouser.jp/datasheet/2/837/usb4056-2448808.pdf, HEIGHT=3.56mm, Manufacturer_Part_Number=USB4056-03-A, Mouser Price/Stock=https://www.mouser.co.uk/ProductDetail/GCT/USB4056-03-A?qs=QNEnbhJQKvbZ7hZzgFEugA%3D%3D
J3: "Connector", Manufacturer_Name=Hirose, Manufacturer_Part_Number=FH34SRJ-50S-0.5SH(50), Mouser Part Number=798-FH34SRJ50S05SH50, Datasheet Link=https://www.hirose.com/en/product/document?clcode=CL0580-1266-2-50&productname=FH34SRJ-50S-0.5SH(50)&series=FH34SRJ&documenttype=2DDrawing&lang=en&documentid=0001483059, HEIGHT=1.75mm, Mouser Price/Stock=https://www.mouser.co.uk/ProductDetail/Hirose-Connector/FH34SRJ-50S-0.5SH50?qs=vcbW%252B4%252BSTIrLLD%2F8H%2F%252B%2Fhg%3D%3D, System=Connector
L1: "Inductor", Manufacturer_Name=COILCRAFT, Mouser Part Number=994-XEL4020-222MEC, HEIGHT=2.1mm, Manufacturer_Part_Number=XEL4020-222MEC, Mouser Price/Stock=https://www.mouser.co.uk/ProductDetail/Coilcraft/XEL4020-222MEC?qs=chTDxNqvsynf4rqMeCpizg%3D%3D
Q1 Q3 Q4 Q5: library part DMT3006LFDF-7, "MOSFET (N-Channel)", Manufacturer_Name="Diodes Incorporated", Mouser Part Number=621-DMT3006LFDF-7, Arrow Part Number=DMT3006LFDF-7, Arrow Price/Stock=https://www.arrow.com/en/products/dmt3006lfdf-7/diodes-incorporated, Datasheet Link=https://www.arrow.com/en/products/dmt3006lfdf-7/diodes-incorporated, HEIGHT=0.63mm, Manufacturer_Part_Number=DMT3006LFDF-7, Mouser Price/Stock=https://www.mouser.co.uk/ProductDetail/Diodes-Incorporated/DMT3006LFDF-7?qs=4EhzHfbM1GhGS5nn3gf3wg%3D%3D
Q2: "MOSFET (P-Channel)", Manufacturer_Name=Vishay, Mouser Part Number=78-SISA01DN-T1-GE3, Arrow Part Number=SISA01DN-T1-GE3, Arrow Price/Stock=https://www.arrow.com/en/products/sisa01dn-t1-ge3/vishay?region=nac, Datasheet Link=https://www.vishay.com/docs/76198/sisa01dn.pdf, Manufacturer_Part_Number=SISA01DN-T1-GE3, Mouser Price/Stock=https://www.mouser.co.uk/ProductDetail/Vishay-Semiconductors/SISA01DN-T1-GE3?qs=chTDxNqvsymq6IcOj9ze4g%3D%3D
Q6 Q7 Q8 Q9 Q10 Q11 Q12 Q13 Q14 Q15 Q16 Q17 Q18 Q19 Q20 Q21 Q22 Q23 Q24 Q25 Q26 Q27 Q28 Q29: "MOSFET (N-Channel)", Manufacturer_Name=Toshiba, Mouser Part Number=757-TPN1R603PLL1Q, Arrow Part Number=TPN1R603PL,L1Q, Arrow Price/Stock=https://www.arrow.com/en/products/tpn1r603pll1q/toshiba?utm_currency=USD&region=nac, Datasheet Link=https://toshiba.semicon-storage.com/ap-en/semiconductor/product/mosfets/12v-300v-mosfets/detail.TPN1R603PL.html, HEIGHT=0.9mm, Manufacturer_Part_Number=TPN1R603PL,L1Q, Mouser Price/Stock=https://www.mouser.co.uk/ProductDetail/Toshiba/TPN1R603PLL1Q?qs=bUPhaerQQeGYpGlYi%252BLguw%3D%3D
R1 R2: "Resistor", Manufacturer_Name=LITTELFUSE, Datasheet Link=https://www.littelfuse.com/media?resourcetype=datasheets&itemid=db674d7b-aa25-4173-816a-92297475a59f&filename=littelfuse-resistor-l4ca-c-datasheet, HEIGHT=0.7mm, Manufacturer_Part_Number=L4CA0612LR010FNR
R69 R72 R75 R87 R90 R93 R105 R108 R111 R123 R126 R129: library part WSK1216L5000FEA, "Resistor", Manufacturer_Name=Vishay, Mouser Part Number=71-WSK1216L5000FEA, Arrow Part Number=WSK1216L5000FEA, Arrow Price/Stock=https://www.arrow.com/en/products/wsk1216l5000fea/vishay?region=nac, Datasheet Link=http://www.vishay.com/docs/30189/wsk1216.pdf, HEIGHT=1.9mm, Manufacturer_Part_Number=WSK1216L5000FEA, Mouser Price/Stock=https://www.mouser.co.uk/ProductDetail/Vishay-Dale/WSK1216L5000FEA?qs=OlC7AqGiEDlM2wGD42LFoQ%3D%3D
Y1: "Crystal or Oscillator", Manufacturer_Name=ECS, Mouser Part Number=520-2520MVLC-010CNTR, Datasheet Link=https://ecsxtal.com/store/pdf/ECS-2520MVLC.pdf, HEIGHT=0.9mm, Manufacturer_Part_Number=ECS-2520MVLC-010-CN-TR, Mouser Price/Stock=https://www.mouser.co.uk/ProductDetail/ECS/ECS-2520MVLC-010-CN-TR?qs=vvQtp7zwQdMouzumdpJOhQ%3D%3D

## Via types
v1: diameter 0.45, hole 0.3, Top Layer to Bottom Layer, tented both sides, 295 vias

## Nets (pads, with @x,y where several pads share a name; then routed paths per layer and width w, separated by ;. In a path a pad name is that pad's centre, name@x,y a point inside that pad or via, vN(x,y) a via of type N, cw(c..) or ccw(c..) an arc to the next point about the centre after c; other vN are vias at no path point)
+3V3: C45.2 C46.2 C56.2 C57.2 C58.2 C59.2 C60.2 C61.1 C78.2 C79.2 C80.2 C81.1 C82.2 C95.2 C108.2 C121.2 D13.1 FB17.1 FB18.1 FB19.1 FB20.1 IC4.3 IC4.4 IC5.28 IC5.29 IC6.2 IC7.2 IC11.2 IC12.1 IC12.3 IC12.7 IC12.12 IC13.33 IC14.33 IC15.33 IC16.33 R11.2 R19.2 R20.2 R21.2 R22.2 R27.2 R28.2 R33.2 R35.2 R36.2 R37.2 R38.2 R41.2 R42.2 R43.2 R56.2 R58.2 R59.2 R60.2 R61.2 R62.2 R64.2 R65.2 R77.2 R78.2 R79.2 R80.2 R81.2 R82.2 R83.2 R84.2 R95.2 R96.2 R97.2 R98.2 R100.2 R101.2 R113.2 R114.2 R115.2 R116.2 R118.2 R119.2 Y1.4 | length 14.2
  Bottom Layer w0.2: R36.2@25.669,2.968 R37.2@26.244,2.968 ; R37.2@26.245,2.968 26.245,3.068 26.295,3.018 R37.2@26.407,2.906 ; C45.2@26.459,2.274 C45.2@26.464,2.279 ; R37.2@26.469,2.968 R37.2@26.407,2.906 ; C46.2@27.259,2.274 27.264,2.279 C46.2@27.264,2.297 ; IC4.4@28.564,2.753 28.364,2.753 27.908,2.297 C46.2@27.264,2.297 ; R37.2@26.407,2.906 26.464,2.849 C45.2@26.464,2.279 ; C45.2@26.464,2.279 26.483,2.297 C46.2@27.264,2.297
  Bottom Layer w0.3: C79.2@-50.473,1.827 -50.466,1.834 -50.466,3.657 IC12.1@-50.459,3.664 ; IC12.12@-48.983,3.664 IC12.1@-50.459,3.664 ; C80.2@-48.971,8.732 -48.977,8.726 -48.977,6.67 IC12.7@-48.983,6.664 -49.007,6.64 -49.46,6.64 -49.771,6.329 -49.771,5.109 -49.99,4.889 -50.434,4.889 -50.484,4.839 -50.7,4.839 -50.997,4.543 -50.997,3.985 -50.85,3.839 -50.747,3.839 -50.572,3.664 IC12.1@-50.459,3.664
+5V: C49.2 C50.2 IC3.1 R34.2 | length 5.1
  Bottom Layer w0.3: R34.2@33.967,6.276 33.97,6.273 35.762,6.273 C49.2@35.764,6.271 36.729,6.271 36.734,6.276 36.959,6.276 C50.2@36.964,6.271 38.114,6.271 38.183,6.34 IC3.1@38.183,6.352 ; IC3.1@38.183,6.352 IC3.1@38.464,6.071 IC3.1@38.183,6.352
+FUSB: C43.2 C44.2 IC4.12 IC4.13 R33.1 R34.1 | length 5.9
  Bottom Layer w0.3: IC4.13@31.164,3.253 IC4.12@31.164,3.753 ; IC4.13@31.214,3.253 31.945,3.253 32.126,3.072 32.972,3.072 C43.2@33.1,3.2 ; R33.1@32.875,5.476 32.967,5.567 32.967,6.101 32.917,6.151 32.842,6.151 R34.1@32.967,6.276 ; R33.1@32.967,5.476 33.092,5.351 33.092,5.109 33.164,5.037 C43.2@33.164,3.2
BAT+: F1.1
BAT+_F: C14.2 C15.2 C20.1 C41.2 C53.1 C54.1 C84.1 C97.1 C110.1 C123.1 F1.2 IC2.9 IC13.4 IC13.5 IC14.4 IC14.5 IC15.4 IC15.5 IC16.4 IC16.5 Q6.1 Q6.2 Q6.3 Q8.1 Q8.2 Q8.3 Q10.1 Q10.2 Q10.3 Q12.1 Q12.2 Q12.3 Q14.1 Q14.2 Q14.3 Q16.1 Q16.2 Q16.3 Q18.1 Q18.2 Q18.3 Q20.1 Q20.2 Q20.3 Q22.1 Q22.2 Q22.3 Q24.1 Q24.2 Q24.3 Q26.1 Q26.2 Q26.3 Q28.1 Q28.2 Q28.3 R2.2 R26.2 R51.2 | length 10.3
  Top Layer w0.15: R51.2@5.032,11.627 5.835,11.627 6.829,10.632
  Top Layer w0.3: 13.889,11.221 13.889,11.815 14.363,12.288 C41.2@14.413,12.288 R26.2@15.313,12.288 15.373,12.348 16.088,12.348 16.238,12.498 17.667,12.498 18.81,13.642 18.81,14.219 18.494,14.534 17.797,14.534 IC2.9@17.722,14.609
BAT_ADC: IC5.23 R51.1 R55.2 | length 3.9
  Top Layer w0.15: IC5.23@3.554,15.232 3.554,12.727 3.642,12.639 3.827,12.639 R55.2@4.027,12.437 R55.2@4.027,12.437 4.029,12.434 4.029,11.629 R51.1@4.032,11.627
BMS_CHRG_OK: D7.9 IC1.4 J3.10 R11.1 | length 59.6
  Top Layer w0.15: D7.9@-23.265,19.934 -22.865,19.934 -22.327,20.472 J3.10@-21.666,20.472 -21.111,20.472 -20.971,20.332 -18.971,20.332 -18.571,19.932 v1(-17.171,19.932)
  Mid Layer 2 w0.15: v1(-17.171,19.932) -15.971,18.732 -1.925,18.732 -1.65,19.007 2.354,19.007 3.629,17.732 13.777,17.732 15.877,15.632 21.129,15.632 25.829,10.932 v1(29.729,10.932)
  Bottom Layer w0.2: IC1.4@27.464,10.571 28.512,10.571 28.701,10.759 28.701,10.782 28.889,10.971 R11.1@29.464,10.971
BMS_OTG/VAP: D7.2 IC1.5 J3.11 | length 60.1
  Top Layer w0.15: -25.371,19.432 -25.371,19.42 -25.283,19.332 -24.67,19.332 -24.567,19.434 D7.2@-24.065,19.434 -22.865,19.434 -22.327,19.972 J3.11@-21.666,19.972 -19.011,19.972 -18.32,19.281 v1@-17.225,19.281
  Mid Layer 2 w0.15: v1(-17.223,19.284) -16.371,18.432 -1.872,18.432 -1.547,18.757 1.704,18.757 5.329,15.132 19.129,15.132 24.129,10.132 28.72,10.132 v1(28.744,10.155)
  Bottom Layer w0.15: IC1.5@27.464,10.171 27.472,10.163 28.736,10.163 v1(28.744,10.155)
BMS_PROCHOT: D6.5 IC1.11 J3.8 R19.1 | length 62.6
  Top Layer w0.15: J3.8@-21.666,21.472 -16.911,21.472 -16.871,21.432 D6.5@-10.171,21.432 -9.671,21.432 v1(-7.971,19.732)
  Mid Layer 1 w0.15: v1(-7.971,19.732) -6.546,21.157 3.204,21.157 4.629,19.732 17.629,19.732 22.529,14.832 22.529,12.332 28.029,6.832 v1(28.429,6.832)
  Bottom Layer w0.15: IC1.11@26.064,8.371 26.089,8.346 26.089,8.023 26.45,7.662 27.475,7.662 28.385,6.753 28.385,6.437 R19.1@28.58,6.242
CB_ALERT: D7.1 IC2.20 J3.9 R32.2 | length 54
  Top Layer w0.15: D7.1@-24.065,20.334 -22.965,20.334 -22.327,20.972 J3.9@-21.666,20.972 -21.658,20.964 -21.129,20.964 -20.747,20.582 -17.221,20.582 v1(-17.171,20.632) ; v1(20.029,19.454) 20.41,19.835 IC2.20@23.623,19.835 ; IC2.20@23.598,19.809 IC2.20@23.623,19.835 ; R32.2@24.935,19.835 IC2.20@23.623,19.835
  Mid Layer 2 w0.15: v1(-17.171,20.632) -15.646,19.107 -1.904,19.107 -1.754,19.257 12.904,19.257 15.729,16.432 19.173,16.432 19.529,16.789 19.529,18.954 v1(20.029,19.454)
CONN_D_N: J2.A7 J2.B7 R40.1 | length 44.4
  Top Layer w0.2: R40.1@-1.136,7.171 -1.136,7.121 -0.961,6.946 -0.847,6.946 -0.457,6.556 -0.457,6.315 v1(-0.409,6.267) v1@-0.377,6.299 ; J2.B7@38.634,8.542 39.234,9.142 J2.A7@39.234,9.702
  Mid Layer 2 w0.2: v1(-0.409,6.267) -0.342,6.267 -0.196,6.121 20.195,6.121 21.083,5.233 36.333,5.233 38.883,7.784 38.883,8.225 38.634,8.474 J2.B7@38.634,8.542
CONN_D_P: J2.A6 J2.B6 R38.1 R39.1 | length 46.3
  Top Layer w0.2: R38.1@-1.138,3.976 R39.1@-1.138,4.776 -1.138,4.826 -0.963,5.001 -0.841,5.001 -0.448,5.394 -0.448,5.613 v1(-0.4,5.661) v1@-0.352,5.613
  Mid Layer 2 w0.2: v1(-0.4,5.661) -0.332,5.661 -0.173,5.82 20.07,5.82 20.958,4.932 36.458,4.932 39.185,7.659 39.185,8.225 39.434,8.474 J2.B6@39.434,8.542 38.8,9.176 38.8,10.299 v1(38.798,10.3)
  Bottom Layer w0.2: v1(38.798,10.3) v1@38.8,10.299
D_N: D11.1 J3.41 R40.2 | length 21
  Top Layer w0.2: J3.41@-21.666,4.972 -21.616,4.922 -21.142,4.922 -21.092,4.873 -20.789,4.873 -19.629,6.033 -8.612,6.033 -8.526,6.119 -2.577,6.119 -2.55,6.146 -2.311,6.146 -2.136,6.321 R40.2@-2.136,7.171
D_P: D12.1 J3.42 R39.2 | length 21
  Top Layer w0.2: J3.42@-21.666,4.472 -21.616,4.522 -21.142,4.522 -21.092,4.571 -20.665,4.571 -19.504,5.732 -8.487,5.732 -8.401,5.818 -2.575,5.818 -2.553,5.796 -2.308,5.796 -2.133,5.621 D12.1@-2.133,5.571 -2.136,5.568 -2.136,4.779 R39.2@-2.139,4.776
ESC_CLK: D10.6 IC13.28 IC14.28 IC15.28 IC16.28 J3.39 | length 79.2
  Top Layer w0.15: v1@-27.427,7.345 -27.118,7.036 -27.118,6.487 -25.965,5.334 D10.6@-23.265,5.334 -23.19,5.409 -22.924,5.409 -22.361,5.972 J3.39@-21.666,5.972
  Mid Layer 1 w0.15: v1@-42.223,8.816 -42.223,14.477 -40.308,16.391 v1(-33.222,16.391) ; v1(-13.848,9.159) -11.633,9.159 -9.115,11.677 -9.115,15.8 -9.115,16.34 v1(-9.166,16.391)
  Mid Layer 2 w0.15: v1(-42.203,8.796) -42.186,8.779 -36.32,8.779 -34.968,10.132 -30.207,10.132 v1(-27.427,7.351) ; v1(-33.222,16.391) v1(-33.222,16.391) -32.657,16.39 -32.656,16.391 -32.43,16.391 -29.271,13.232 -16.762,13.232 -13.848,10.318 v1(-13.848,9.159)
  Bottom Layer w0.15: IC15.28@-42.619,9.764 -42.619,9.658 -42.223,9.262 -42.223,8.816 v1(-42.203,8.796) ; v1(-33.222,16.391) -33.165,16.334 -33.165,16.152 -32.845,15.832 IC13.28@-32.845,15.679 ; IC16.28@-17.041,9.742 -16.233,8.934 -14.399,8.934 -14.231,9.102 -13.906,9.102 v1(-13.848,9.159) ; v1(-9.166,16.391) -9.109,16.334 -9.109,16.152 -8.789,15.832 IC14.28@-8.789,15.679